# Altium PCB SmartGarden_PCB.PcbDoc (part 2 of 2)
Units mm, origin at the board's own origin, x right, y up, seen from the top; angles counter-clockwise.
Board outline 100 x 70 mm, 4 copper layers (Top Layer, GND, PWR, Bottom Layer), stack 1.446 mm thick; 123 components, 85 nets, 388 pads, 282 vias.
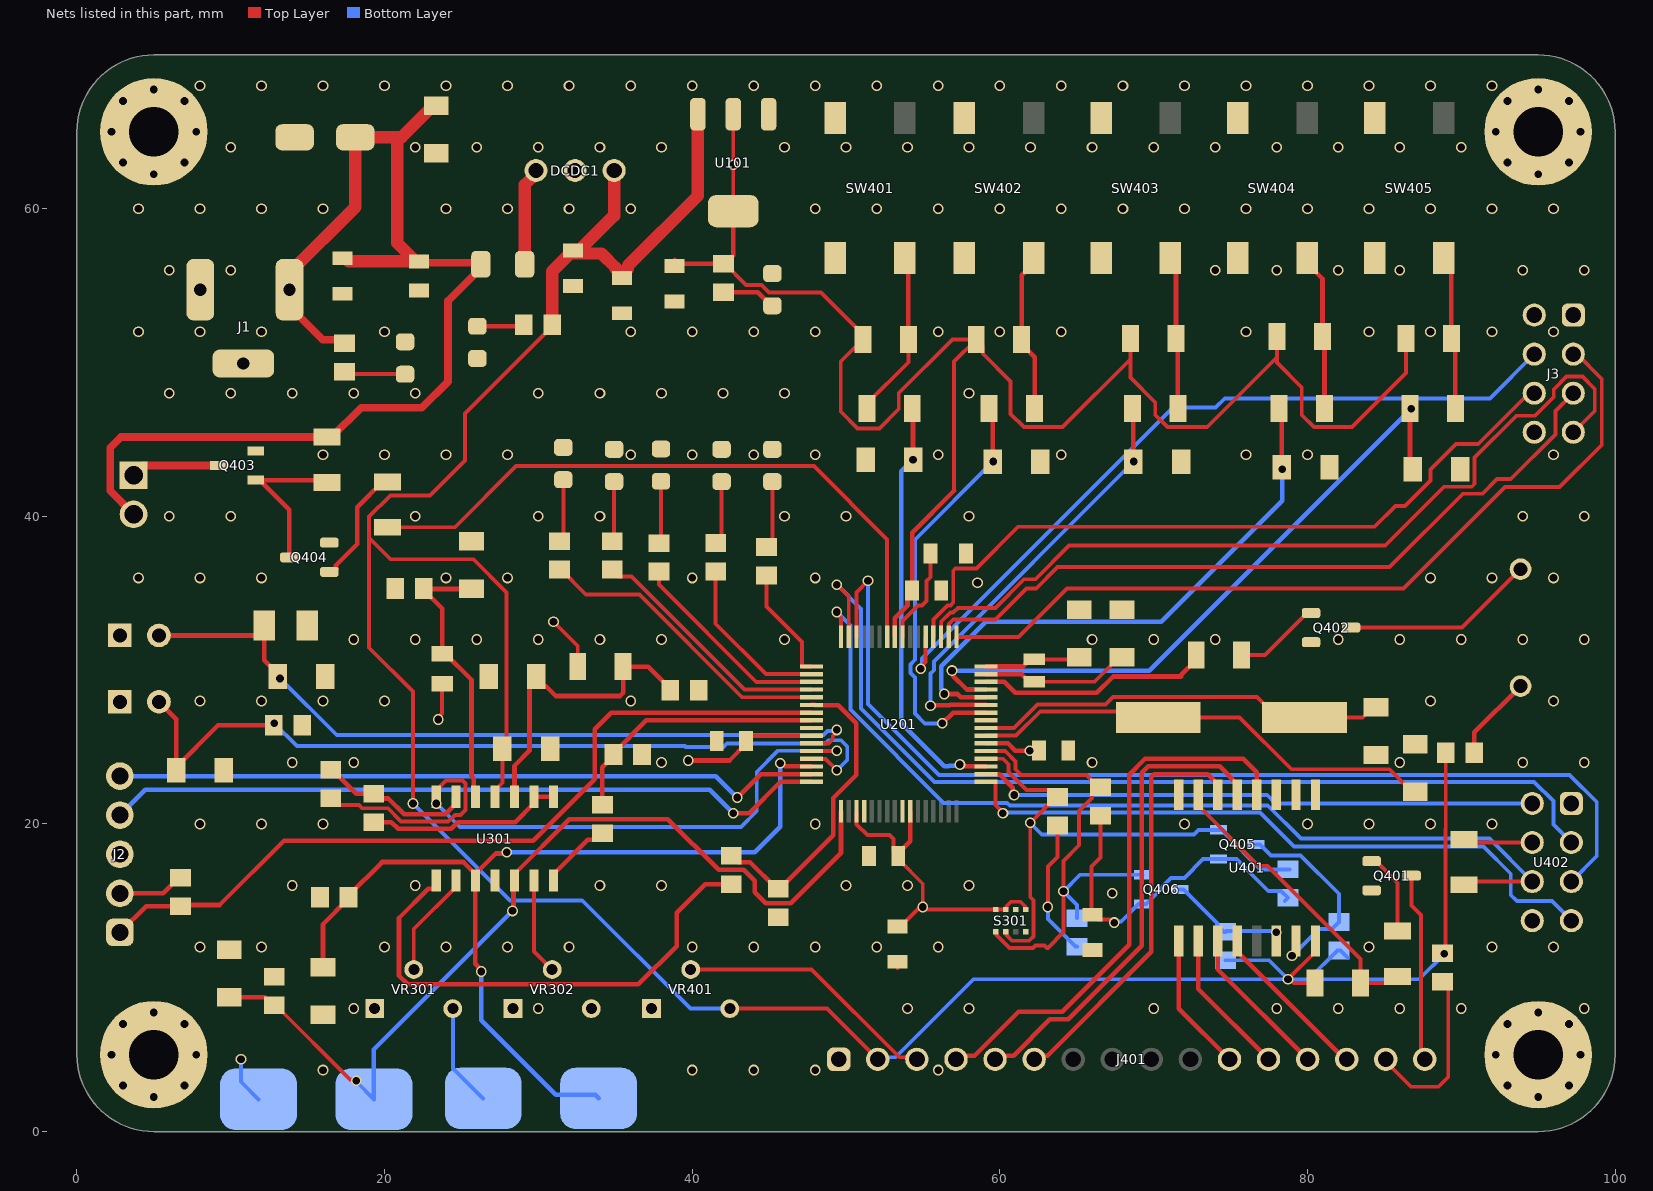
[diagram p4: the nets of this part, all layers, seen from the top]

## Via types
v1: diameter 0.7, hole 0.5, Top Layer to Bottom Layer, 282 vias

## Nets (pads, with @x,y where several pads share a name; then routed paths per layer and width w, separated by ;. In a path a pad name is that pad's centre, name@x,y a point inside that pad or via, vN(x,y) a via of type N, cw(c..) or ccw(c..) an arc to the next point about the centre after c; other vN are vias at no path point)
+3.3: C106.1 C202.1 C203.1 C204.1 C205.1 C306.1 C307.1 J2.2 J3.1 J3.2 Q405.G Q406.G R1.1 R103.2 R206.1 R207.1 R303.1 R305.1 R307.1 R309.1 R311.1 R313.1 R401.2 R403.2 R405.2 R407.2 R409.2 R418.1 R419.1 R421.1 S301.5 S301.6 S301.8 U101.2 U101.4 U201.10 U201.19 U201.26 U201.38 U201.57 U402.4 U402.8 VR301.3 VR302.3 | length 201.7
  Top Layer w0.254: v1(23.495,26.797) 23.495,26.918 23.749,27.172 R305.1@23.749,29.124 ; v1(30.988,33.147) 32.561,31.574 R313.1@32.561,30.226 ; R103.2@42.037,56.424 42.137,56.424 43.51,55.051 44.497,55.051 44.984,54.564 48.364,54.564 51.103,51.825 R401.2@51.103,51.5 49.657,50.054 49.657,46.813 50.75,45.72 52.175,45.72 53.43,46.975 53.43,48.01 56.92,51.5 R403.2@58.469,51.5 ; U101.4@42.672,59.842 v1(42.672,62.865) U101.2@42.672,66.142 ; U201.19@50.678,20.822 50.691,20.809 50.691,19.972 51.387,19.276 52.832,19.276 53.078,19.03 53.078,18.23 C204.1@53.401,17.907 53.401,17.707 54.991,16.117 v1(54.991,14.605) ; C307.1@53.34,13.342 53.54,13.342 54.718,14.52 54.906,14.52 v1(54.991,14.605) ; 57.023,41.656 57.023,50.054 R403.2@58.469,51.5 ; S301.8@61.681,14.441 61.633,14.489 61.633,14.651 61.341,14.943 60.721,14.943 60.429,14.651 60.429,14.489 S301.6@60.381,14.441 S301.5@59.731,14.441 55.276,14.441 55.112,14.605 v1(54.991,14.605) ; v1@62.992,14.605 v1(63.119,14.605) 63.119,17.229 63.754,17.864 R207.1@63.754,19.903 ; R206.1@66.548,20.538 66.548,17.832 65.951,17.235 65.951,14.193 C306.1@66.04,14.104 66.363,13.781 67.124,13.781 67.316,13.589 v1(67.437,13.589) ; R405.2@68.502,51.562 68.502,50.214 ; R407.2@78.027,51.689 78.027,50.341 ; R409.2@86.409,51.562 86.409,49.325 82.882,45.798 80.419,45.798 79.629,46.588 79.629,48.387 78.027,49.989 78.027,50.341 ; R418.1@90.17,19.001 90.375,18.796 U402.4@94.615,18.796 ; R403.2@58.469,51.5 58.892,51.077 58.892,50.582 60.706,48.768 60.706,46.666 61.574,45.798 64.086,45.798 68.502,50.214 ; 68.502,50.214 68.502,49.014 70.104,47.412 70.104,46.588 70.894,45.798 73.484,45.798 78.027,50.341
  Top Layer w0.3: J2.2@2.794,15.494 5.615,15.494 6.631,16.51 R1.1@6.731,16.51 ; C106.1@38.862,56.668 39.106,56.424 R103.2@42.037,56.424 ; v1(39.751,24.13) 42.425,24.13 43.495,25.2 C203.1@43.495,25.4 43.495,25.442 43.795,25.742 U201.10@47.758,25.742 ; R103.2@42.137,56.424 42.672,56.959 U101.4@42.672,59.842 ; U201.57@53.178,32.162 53.178,33.375 53.995,34.191 53.995,34.879 C202.1@54.295,35.179 54.295,38.928 57.023,41.656 ; C204.1@53.401,17.907 53.401,18.107 54.178,18.884 U201.26@54.178,20.822 ; U201.38@59.098,25.242 60.53,25.242 61.007,24.765 v1(61.95,24.765)
  Bottom Layer w0.254: v1(10.668,4.699) 10.668,3.245 R311.1@11.811,2.102 ; VR301.3@24.44,8 24.44,4.107 26.388,2.159 R309.1@26.416,2.159 ; v1(63.119,14.605) 63.119,13.834 64.924,12.029 R421.1@65.024,12.029 ; v1(67.437,13.589) 67.522,13.674 67.896,13.674 69.02,14.798 Q406.G@69.27,14.798 69.52,14.798 70.415,15.693 70.415,15.776 71.138,16.498 71.998,16.498 73.219,17.719 Q405.G@74.223,17.719 75.386,17.719 77.453,15.652 78.292,15.652 R419.1@78.74,15.204 R419.1@78.522,14.986
+5: C104.1 C105.1 C308.1 DCDC1.3 J401.2 R102.1 R411.1 R413.1 R415.1 R420.2 R422.2 U101.3 U301.4 U401.16 VR401.3 | length 194.1
  Top Layer w0.254: v1(21.849,21.336) 21.849,28.603 18.991,31.46 18.991,38.607 ; U301.4@27.178,21.775 27.178,22.2 27.66,22.682 C308.1@27.66,24.892 27.94,25.172 27.94,35.052 25.781,37.211 20.387,37.211 18.991,38.607 ; R102.1@30.897,52.451 30.897,52.351 25.228,46.682 25.228,43.643 22.95,41.365 20.379,41.365 18.991,39.977 18.991,38.607 ; VR401.3@42.445,8 48.769,8 J401.2@52.07,4.699 ; R411.1@80.518,9.681 R411.1@80.489,9.652 79.115,9.652 78.861,9.906 v1(78.74,9.906) 78.74,9.917 80.518,11.695 U401.16@80.518,12.395 U401.16@80.518,13.095 ; R413.1@88.968,11.788 88.968,19.686 88.991,19.709 R415.1@88.991,24.638
  Top Layer w0.8: R102.1@30.897,52.451 30.897,55.923 32.058,57.084 C104.1@32.458,57.084 ; DCDC1.3@34.925,62.484 34.925,59.551 C104.1@32.458,57.084 ; U101.3@40.372,66.142 40.372,60.845 35.833,56.306 35.833,56.106 35.633,55.906 35.233,55.906 35.033,56.106 35.033,56.159 34.108,57.084 C104.1@32.458,57.084
  Bottom Layer w0.254: v1(21.849,21.336) 28.157,15.028 32.851,15.028 39.879,8 VR401.3@42.445,8 ; J401.2@52.07,4.699 52.208,4.837 53.211,4.837 58.28,9.906 v1(78.74,9.906) ; R422.2@74.676,11.14 77.506,11.14 v1(78.74,9.906) ; R420.2@82.59,11.327 82.142,11.775 R420.2@82.042,11.775 81.942,11.775 80.073,9.906 ; v1(88.9,11.557) 87.249,9.906 80.073,9.906 ; v1(78.74,9.906) 80.073,9.906
+12: C101.1 C102.1 C103.1 D101.1 F101.1 J1.1 J402.2 R101.1 R417.1 | length 78.4
  Top Layer w0.5: J402.2@3.683,40.132 2.159,41.656 2.159,44.45 2.872,45.163 R417.1@16.256,45.163 16.581,45.163 18.483,47.065 22.427,47.065 24.13,48.768 24.13,54.007 26.261,56.138 F101.1@26.261,56.388 26.167,56.482 22.319,56.482 C103.1@22.225,56.576 ; J1.1@13.825,54.737 13.825,53.637 15.974,51.488 17.164,51.488 R101.1@17.399,51.253
  Top Layer w0.8: J1.1@13.825,54.737 13.825,55.837 18.104,60.116 D101.1@18.104,64.643 21.11,64.643 23.168,66.701 C102.1@23.368,66.701 ; C101.1@17.272,56.776 17.472,56.776 17.672,56.576 C103.1@22.025,56.576 ; 20.828,64.643 20.828,57.773 C103.1@22.025,56.576 ; C103.1@22.225,56.576 C103.1@22.025,56.576
/MCLR: J2.1 R1.2 U201.7 | length 52.8
  Top Layer w0.3: J2.1@2.794,12.954 4.5,14.66 R1.2@6.731,14.66 6.803,14.732 9.271,14.732 13.462,18.923 29.656,18.923 33.655,22.922 33.655,26.162 34.735,27.242 U201.7@47.758,27.242
D4: J401.11 U401.9 | length 9.1
  Top Layer w0.3: U401.9@71.628,12.395 71.628,8.001 J401.11@74.93,4.699
D5: J401.12 U401.10 | length 9.6
  Top Layer w0.3: U401.10@72.898,12.395 72.898,9.271 J401.12@77.47,4.699
D6: J401.13 U401.11 | length 10.1
  Top Layer w0.3: U401.11@74.168,12.395 74.168,10.541 J401.13@80.01,4.699
D7: J401.14 U401.12 | length 10.7
  Top Layer w0.3: U401.12@75.438,12.395 75.438,11.695 82.434,4.699 J401.14@82.55,4.699
DPS_SCL: Q406.S R206.2 R421.2 S301.4 U201.37 | length 32.3
  Top Layer w0.254: U201.37@59.098,24.742 60.355,24.742 61.023,24.074 61.023,23.559 61.387,23.195 65.641,23.195 R206.2@66.448,22.388 ; S301.4@59.731,12.991 59.779,12.943 59.779,12.781 60.622,11.938 62.162,11.938 62.331,12.107 62.891,12.107 63.06,11.938 63.119,11.938 64.151,12.97 64.151,15.605 v1(64.135,15.621) 64.135,17.603 65.151,18.619 65.151,20.853 66,21.702 66,21.94 R206.2@66.448,22.388 ; R206.2@66.548,22.388 R206.2@66.448,22.388
  Bottom Layer w0.254: R421.2@65.024,13.879 65.024,14.732 v1(64.135,15.621) 65.212,16.698 Q406.S@69.27,16.698
DPS_SDA: Q405.S R207.2 R419.2 S301.3 U201.36 | length 36.7
  Top Layer w0.254: U201.36@59.098,24.242 60.213,24.242 60.569,23.886 60.569,23.371 61.739,22.201 63.306,22.201 R207.2@63.754,21.753 63.654,21.753 v1(61.976,20.075) 61.976,15.25 62.183,15.044 62.183,12.681 61.91,12.407 60.794,12.407 60.429,12.773 60.429,12.943 S301.3@60.381,12.991 S301.3@60.429,13.039
  Bottom Layer w0.254: v1(61.976,20.075) 62.729,19.323 72.612,19.323 72.908,19.619 Q405.S@74.223,19.619 74.473,19.619 74.646,19.446 74.646,19.364 76.956,17.054 R419.2@78.74,17.054 R419.2@78.84,17.054
E: J401.6 U401.6 | length 27.3
  Top Layer w0.3: J401.6@62.23,4.699 62.463,4.932 63.098,4.932 69.85,11.684 69.85,23.069 70.026,23.245 73.529,23.245 74.018,22.756 74.018,22.045 U401.6@74.168,21.895
GH_D: R318.2 R320.1 U201.8 | length 17.4
  Top Layer w0.3: R318.2@34.163,21.245 34.163,23.685 34.889,24.411 R320.1@34.889,24.511 34.889,24.611 37.02,26.742 U201.8@47.758,26.742
GH_Vout: C305.1 R311.2 R312.1 U201.17 U301.12 | length 60.1
  Top Layer w0.254: R312.1@12.727,8.219 R312.1@12.827,8.219 12.927,8.219 17.759,3.387 18.076,3.387 v1(18.161,3.302)
  Top Layer w0.3: C305.1@9.906,8.737 12.209,8.737 R312.1@12.727,8.219 ; v1(28.321,14.351) 28.384,14.414 28.384,16.262 U301.12@28.448,16.325 28.448,16.75 32.018,20.32 38.423,20.32 41.725,17.018 43.365,17.018 44.069,16.314 44.069,15.563 44.773,14.859 46.413,14.859 49.678,18.124 U201.17@49.678,20.822
  Bottom Layer w0.254: v1(18.161,3.302) 18.161,3.252 R311.2@19.311,2.102
  Bottom Layer w0.3: R311.2@19.311,2.102 19.311,5.341 v1(28.321,14.351)
GND: C101.2 C102.2 C103.2 C104.2 C105.2 C106.2 C201.2 C202.2 C203.2 C204.2 C205.2 C206.2 C207.2 C208.1 C209.1 C301.2 C302.2 C303.2 C304.2 C305.2 C306.2 C307.2 C308.2 C309.2 C401.2 C402.2 C403.2 C404.2 C405.2 D101.2 D102.K D103.K D104.K D201.K D202.K D203.K D204.K D205.K DCDC1.2 J1.2 J1.3 J2.3 J3.8 J401.1 MH1.1 MH2.1 MH3.1 MH4.1 Q401.E Q402.E Q403.S Q404.E R304.2 R306.2 R308.2 R310.2 R312.2 R314.2 R319.2 R320.2 S301.1 S301.7 SW401.1 SW401.2 SW402.1 SW402.2 SW403.1 SW403.2 SW404.1 SW404.2 SW405.1 SW405.2 U101.1 U201.9 U201.20 U201.25 U201.41 U301.11 U401.1 U401.2 U401.3 U401.8 U402.1 VR301.1 VR302.1 VR401.1 | length 0.7
  Top Layer w0.254: R319.2@45.593,13.934 R319.2@45.629,13.97 ; C307.2@52.867,11.115 C307.2@53.34,10.642
  other v1: 5,2.25 95,2.25 3,3 7,3 93,3 97,3 16,4 40,4 44,4 48,4 56,4 2.25,5 7.75,5 92.25,5 97.75,5 3,7 7,7 93,7 97,7 5,7.75 95,7.75 18,8 30,8 54,8 58,8 70,8 78,8 82,8 86,8 90,8 98,8 8,12 12,12 20,12 24,12 28,12 32,12 40,12 44,12 48,12 52,12 56,12 84,12 92,12 96,12 67.31,15.494 14,16 22,16 34,16 38,16 50,16 54,16 58,16 8,20 12,20 16,20 48,20 72,20 80,20 84,20 88,20 92,20 14,24 18,24 38,24 66,24 86,24 94,24 98,24 8,28 12,28 16,28 20,28 36,28 88,28 96,28 18,32 22,32 26,32 30,32 34,32 38,32 46,32 66,32 70,32 74,32 82,32 86,32 90,32 94,32 98,32 58.547,35.687 4,36 8,36 12,36 24,36 28,36 40,36 48,36 88,36 92,36 96,36 6,40 10,40 22,40 30,40 34,40 46,40 50,40 58,40 94,40 98,40 16,44 20,44 24,44 28,44 36,44 40,44 44,44 48,44 56,44 64,44 76,44 80,44 96,44 6,48 10,48 14,48 18,48 22,48 30,48 34,48 38,48 42,48 46,48 58,48 4,52 8,52 12,52 20,52 36,52 40,52 44,52 48,52 56,52 60,52 64,52 76,52 84,52 88,52 92,52 96,52 6,56 10,56 74,56 78,56 82,56 86,56 94,56 98,56 4,60 8,60 12,60 16,60 24,60 28,60 32,60 36,60 48,60 52,60 56,60 60,60 64,60 68,60 72,60 76,60 80,60 84,60 88,60 92,60 96,60 5,62.25 95,62.25 3,63 7,63 93,63 97,63 10,64 22,64 26,64 30,64 34,64 38,64 46,64 50,64 54,64 58,64 62,64 66,64 70,64 74,64 78,64 82,64 86,64 90,64 2.25,65 7.75,65 92.25,65 97.75,65 3,67 7,67 93,67 97,67 5,67.75 95,67.75 8,68 12,68 16,68 20,68 24,68 28,68 32,68 36,68 40,68 44,68 48,68 52,68 56,68 60,68 64,68 68,68 72,68 76,68 80,68 84,68 88,68 92,68
HR_Vout: C301.1 R303.2 R304.1 U201.11 | length 50.6
  Top Layer w0.254: U201.11@47.758,25.242 48.864,25.242 49.138,25.516 49.138,25.733 49.403,25.998 v1(49.403,26.119)
  Top Layer w0.3: R303.2@5.334,32.258 11.639,32.258 R304.1@12.189,32.808 ; R304.1@12.189,32.893 R304.1@12.189,32.808 ; C301.1@13.055,29.791 12.189,30.657 R304.1@12.189,32.808
  Bottom Layer w0.254: v1(13.208,29.464) 16.891,25.781 48.545,25.781 48.798,26.034 49.318,26.034 v1(49.403,26.119)
LCD_LED: R411.2 R412.1 U401.7 | length 19.5
  Top Layer w0.254: U401.7@72.898,21.895 72.898,21.195 76.817,17.276 77.399,17.276 83.439,11.236 R411.2@83.439,9.652 85.097,9.652 85.527,10.082 R412.1@85.852,10.082
LDR_Vout: C303.1 R307.2 R308.1 U201.13 | length 54.4
  Top Layer w0.254: U201.13@47.758,24.242 47.771,24.229 48.669,24.229 v1(49.403,23.495)
  Top Layer w0.3: R307.2@5.334,27.94 6.451,26.823 C303.1@6.451,23.695 ; C303.1@6.451,23.495 C303.1@6.451,23.695 ; R308.1@12.791,26.416 9.172,26.416 C303.1@6.451,23.695
  Bottom Layer w0.254: v1(12.827,26.543) 14.309,25.061 39.523,25.061 39.565,25.019 42.037,25.019 42.249,25.231 48.637,25.231 48.848,25.442 49.683,25.442 50.08,25.045 50.08,24.172 v1(49.403,23.495)
NetC201_1: C201.1 U201.56 | length 6.3
  Top Layer w0.254: U201.56@53.678,32.162 53.678,33.2 54.68,34.202 54.948,34.202 55.245,34.499 55.245,35.791 55.492,36.038 C201.1@55.492,37.592
NetC206_1: C206.1 U201.48 XTAL201.1 | length 6
  Top Layer w0.254: XTAL201.1@62.23,30.697 65.013,30.697 C206.1@65.151,30.835
  Top Layer w0.3: U201.48@59.098,30.242 61.504,30.242 61.68,30.418 61.68,30.472 XTAL201.1@61.905,30.697
NetC207_1: C207.1 U201.47 XTAL201.2 | length 9.7
  Top Layer w0.254: XTAL201.2@62.23,29.247 66.157,29.247 67.745,30.835 C207.1@67.945,30.835
  Top Layer w0.3: U201.47@59.098,29.742 61.41,29.742 61.905,29.247 XTAL201.2@62.23,29.247
NetC401_1: C401.1 R402.2 U201.35 | length 27.6
  Top Layer w0.3: R402.2@54.307,47 54.356,46.951 v1(54.356,43.688) ; v1(57.404,23.868) 57.512,23.868 57.638,23.742 U201.35@59.098,23.742
  Bottom Layer w0.3: v1(54.356,43.688) 53.594,42.926 53.594,26.543 56.388,23.749 56.688,23.749 56.73,23.791 57.327,23.791 v1(57.404,23.868)
NetC402_1: C402.1 R404.2 U201.42 | length 27.4
  Top Layer w0.3: v1(56.261,26.543) 56.96,27.242 U201.42@59.098,27.242 ; R404.2@59.309,47 59.537,46.772 C402.1@59.537,43.561
  Bottom Layer w0.254: v1(56.261,26.543) 55.118,26.543 54.483,27.178 54.483,29.523 54.187,29.819 54.187,30.379 54.483,30.675 54.483,38.481 v1(59.563,43.561)
NetC403_1: C403.1 R406.2 U201.43 | length 28.4
  Top Layer w0.3: v1(55.499,27.686) 55.545,27.732 56.743,27.732 56.753,27.742 U201.43@59.098,27.742 ; R406.2@68.629,47 68.681,46.948 C403.1@68.681,43.561
  Bottom Layer w0.254: v1(55.499,27.686) 55.499,29.777 55.719,29.997 55.719,30.573 v1(68.707,43.561)
NetC404_1: C404.1 R408.2 U201.44 | length 37.2
  Top Layer w0.3: v1(56.388,28.448) 57.252,28.448 57.458,28.242 U201.44@59.098,28.242 ; R408.2@78.154,47 78.333,46.821 C404.1@78.333,43.18
  Bottom Layer w0.3: v1(56.388,28.448) 56.388,28.556 56.196,28.748 56.196,30.262 59.081,33.147 70.485,33.147 78.359,41.021 v1(78.359,43.053)
NetC405_1: C405.1 R410.2 U201.45 | length 43.8
  Top Layer w0.3: v1(56.896,29.972) 56.973,29.895 56.973,29.609 57.84,28.742 U201.45@59.098,28.742 ; R410.2@86.663,46.99 86.663,43.232 C405.1@86.842,43.053
  Bottom Layer w0.3: v1(56.896,29.972) 69.723,29.972 v1(86.741,46.99)
NetD102_A: D102.A R101.2 | length 4
  Top Layer w0.254: R101.2@17.399,49.403 17.56,49.242 D102.A@21.336,49.242
NetD103_A: D103.A R102.2 | length 3.1
  Top Layer w0.3: D103.A@26.035,52.358 28.954,52.358 R102.2@29.047,52.451
NetD104_A: D104.A R103.1 | length 3.5
  Top Layer w0.3: R103.1@42.037,54.574 44.275,54.574 45.162,53.687 D104.A@45.212,53.687
NetD201_A: D201.A R201.2 | length 4.4
  Top Layer w0.254: R201.2@44.831,38.009 45.212,38.39 D201.A@45.212,42.257
NetD202_A: D202.A R202.2 | length 4.2
  Top Layer w0.254: R202.2@41.529,38.263 41.91,38.644 D202.A@41.91,42.257
NetD203_A: D203.A R203.2 | length 4.1
  Top Layer w0.254: R203.2@37.846,38.259 37.973,38.386 D203.A@37.973,42.284
NetD204_A: D204.A R204.2 | length 3.9
  Top Layer w0.254: R204.2@34.798,38.39 34.925,38.517 D204.A@34.925,42.257
NetD205_A: D205.A R205.2 | length 4.1
  Top Layer w0.254: R205.2@31.369,38.39 31.623,38.644 D205.A@31.623,42.384
NetDCDC1_1: DCDC1.1 F101.2 | length 6.4
  Top Layer w0.8: F101.2@29.111,56.388 29.111,61.561 29.845,62.295 DCDC1.1@29.845,62.484
NetJ401_3: J401.3 VR401.2 | length 17.1
  Top Layer w0.254: VR401.2@39.905,10.54 47.766,10.54 53.469,4.837 54.472,4.837 J401.3@54.61,4.699
NetJ401_15: J401.15 R413.2 | length 11.5
  Top Layer w0.254: J401.15@85.09,4.699 85.09,4.572 86.741,2.921 88.519,2.921 89.154,3.556 89.154,9.362 R413.2@88.773,9.743
NetJ401_16: J401.16 Q401.C | length 12.3
  Top Layer w0.254: Q401.C@86.771,16.637 86.771,14.702 87.376,14.097 87.376,5.481 87.388,5.469 87.388,4.941 J401.16@87.63,4.699
NetJ402_1: J402.1 Q403.D | length 5.8
  Top Layer w0.5: J402.1@3.683,42.672 4.318,43.307 Q403.D@9.199,43.307
NetLS401_N: LS401.N Q402.C | length 12.9
  Top Layer w0.254: Q402.C@82.834,32.766 90.053,32.766 LS401.N@93.853,36.566
  Top Layer w0.3: LS401.N@93.553,36.566 LS401.N@93.853,36.566
NetLS401_P: LS401.P R415.2 | length 5.6
  Top Layer w0.3: R415.2@90.841,24.638 90.841,25.954 LS401.P@93.853,28.966
NetQ401_B: Q401.B R412.2 | length 5.4
  Top Layer w0.254: Q401.B@84.171,17.587 84.446,17.587 85.852,16.181 R412.2@85.852,13.032
NetQ402_B: Q402.B R414.2 | length 5.6
  Top Layer w0.254: R414.2@75.721,30.988 77.231,30.988 79.959,33.716 Q402.B@80.234,33.716
NetQ403_G: Q403.G Q404.C R417.2 | length 10.5
  Top Layer w0.3: Q403.G@11.629,42.357 Q403.G@11.879,42.357 ; Q404.C@13.813,37.338 13.813,40.423 Q403.G@11.879,42.357 ; R417.2@16.256,42.213 16.112,42.357 Q403.G@11.879,42.357
NetQ404_B: Q404.B R416.2 | length 7.8
  Top Layer w0.3: Q404.B@16.413,36.388 16.672,36.388 16.846,36.562 16.846,36.821 18.228,38.203 18.228,40.602 19.868,42.242 R416.2@20.193,42.242
NetR315_2: R315.2 R316.1 U301.6 | length 10.1
  Top Layer w0.3: R316.1@16.51,23.531 16.61,23.531 18.17,21.971 R315.2@19.304,21.971 19.618,21.657 20.253,21.657 21.274,20.636 23.938,20.636 24.488,21.186 24.488,21.625 U301.6@24.638,21.775
NetR317_1: R317.1 U301.8 | length 33.2
  Top Layer w0.3: U301.8@23.368,16.316 23.368,15.94 23.218,15.79 22.842,15.79 20.939,13.887 20.939,10.142 21.502,9.579 36.503,9.579 38.989,12.065 38.989,14.224 40.858,16.093 R317.1@42.545,16.093
NetR318_1: R318.1 U301.14 | length 4.7
  Top Layer w0.3: U301.14@30.988,16.325 30.988,16.75 33.208,18.97 33.738,18.97 R318.1@34.163,19.395
NetR401_1: R401.1 R402.1 SW401.3 | length 11
  Top Layer w0.254: R402.1@51.357,47 51.357,47.325 54.053,50.021 R401.1@54.053,51.5
  Top Layer w0.3: SW401.3@53.812,56.791 54.053,56.55 R401.1@54.053,51.5
NetR403_1: R403.1 R404.1 SW402.3 | length 10.5
  Top Layer w0.3: SW402.3@62.194,56.791 62.194,56.441 61.419,55.666 R403.1@61.419,51.5 61.419,51.175 62.259,50.335 R404.1@62.259,47
NetR405_1: R405.1 R406.1 SW403.3 | length 10
  Top Layer w0.3: SW403.3@71.084,56.791 71.452,56.423 R405.1@71.452,51.562 71.579,51.435 R406.1@71.579,47
NetR407_1: R407.1 R408.1 SW404.3 | length 10.3
  Top Layer w0.3: SW404.3@79.974,56.791 79.974,56.441 80.977,55.438 R407.1@80.977,51.689 81.104,51.562 R408.1@81.104,47
NetR409_1: R409.1 R410.1 SW405.3 | length 10.1
  Top Layer w0.3: SW405.3@88.864,56.791 89.359,56.296 R409.1@89.359,51.562 89.613,51.308 R410.1@89.613,47
NetR414_1: R414.1 U201.46 | length 15.2
  Top Layer w0.3: U201.46@59.098,29.242 60.293,29.242 61.013,28.522 66.307,28.522 67.376,29.591 71.804,29.591 71.804,29.696 72.771,30.663 R414.1@72.771,30.988
NetR416_1: R416.1 U201.58 | length 42.4
  Top Layer w0.254: R416.1@20.193,39.292 24.585,39.292 28.554,43.261 47.925,43.261 52.678,38.508 U201.58@52.678,32.162
NetR418_2: R418.2 U201.64 U402.6 | length 61.9
  Top Layer w0.254: v1(49.403,33.782) 49.403,33.661 49.678,33.386 U201.64@49.678,32.162 ; R418.2@90.17,16.051 90.375,16.256 U402.6@94.615,16.256
  Bottom Layer w0.254: v1(49.403,33.782) 50.292,32.893 50.292,27.432 56.346,21.378 60.478,21.378 60.65,21.206 77.421,21.206 79.577,19.05 91.821,19.05 U402.6@94.615,16.256
NetU201_33: U201.33 U402.7 | length 43.5
  Top Layer w0.254: U201.33@59.098,22.742 59.693,22.742 59.706,22.729 59.706,21.243 60.198,20.751 v1(60.198,20.701)
  Bottom Layer w0.254: v1(60.198,20.701) 60.249,20.752 76.911,20.752 79.121,18.542 91.44,18.542 93.218,16.764 93.218,15.389 93.621,14.986 95.885,14.986 U402.7@97.155,13.716
NetU201_34: U201.34 U402.2 | length 36.5
  Top Layer w0.3: U201.34@59.098,23.242 59.108,23.232 59.978,23.232 60.852,22.358 60.852,21.96 v1(60.929,21.883)
  Bottom Layer w0.254: v1(60.929,21.883) 77.386,21.883 77.933,21.336 U402.2@94.615,21.336
NetU201_62: U201.62 U402.5 | length 67.8
  Top Layer w0.254: U201.62@50.678,32.162 50.675,32.165 50.675,35.054 v1(51.435,35.814)
  Bottom Layer w0.254: v1(51.435,35.814) 51.435,27.813 56.057,23.191 97.043,23.191 98.806,21.428 98.806,17.907 U402.5@97.155,16.256
NetU201_63: U201.63 U402.3 | length 63.1
  Top Layer w0.254: v1(49.403,35.56) 50.178,34.785 U201.63@50.178,32.162
  Bottom Layer w0.254: v1(49.403,35.56) 50.981,33.982 50.981,27.505 55.749,22.737 94.738,22.737 95.989,21.485 95.989,19.962 U402.3@97.155,18.796
NTC_Vadc: R316.2 U201.12 U301.7 | length 45.9
  Top Layer w0.254: R316.2@16.51,21.681 16.958,21.233 18.33,21.233 18.54,21.023 20.212,21.023 21.076,20.159 24.136,20.159 24.575,20.598 24.948,20.598 25.265,20.915 25.265,22.635 25.073,22.827 23.995,22.827 23.368,22.2 U301.7@23.368,21.775 ; U201.12@47.758,24.742 47.77,24.754 49.392,24.754 v1(49.403,24.765)
  Bottom Layer w0.254: v1(23.368,21.336) 24.892,19.812 43.18,19.812 44.196,20.828 44.196,23.375 45.586,24.765 v1(49.403,24.765)
NTC_Vout: C302.1 R305.2 R306.1 U301.5 | length 18.2
  Top Layer w0.3: C302.1@25.654,35.28 22.577,35.28 R306.1@22.551,35.306 22.551,35.206 23.749,34.008 R305.2@23.749,31.074 23.949,31.074 25.654,29.369 25.654,23.1 25.804,22.95 25.804,21.879 U301.5@25.908,21.775
NTC_Vref: C309.1 R313.2 R314.1 U301.3 | length 20.2
  Top Layer w0.3: U301.3@28.448,21.775 28.448,23.785 29.421,24.758 29.421,29.141 C309.1@29.871,29.591 29.871,29.391 30.321,28.941 30.521,28.941 31.141,28.321 35.306,28.321 35.511,28.526 R313.2@35.511,30.226 37.148,30.226 38.572,28.802 R314.1@38.572,28.702
OSC1: C209.2 U201.39 XTAL202.2 | length 30.7
  Top Layer w0.254: U201.39@59.098,25.742 61.065,25.742 62.628,27.305 69.926,27.305 XTAL202.2@70.307,26.924 75.595,26.924 78.961,23.558 85.335,23.558 86.795,22.098 C209.2@86.995,22.098
OSC2: C208.2 U201.40 XTAL202.1 | length 27
  Top Layer w0.254: U201.40@59.098,26.242 60.923,26.242 62.44,27.759 66.875,27.759 67.367,28.251 76.73,28.251 78.057,26.924 XTAL202.1@79.807,26.924 83.594,26.924 84.255,27.585 C208.2@84.455,27.585
PGEC1: J2.5 U201.15 | length 46.2
  Top Layer w0.3: v1(42.926,21.717) 44.451,23.242 U201.15@47.758,23.242
  Bottom Layer w0.3: J2.5@2.794,23.114 41.529,23.114 v1(42.926,21.717)
PGED1: J2.4 U201.16 | length 47.1
  Top Layer w0.3: v1(42.672,20.701) 43.704,20.701 45.745,22.742 U201.16@47.758,22.742
  Bottom Layer w0.3: J2.4@2.794,20.574 4.445,22.225 41.148,22.225 v1(42.672,20.701)
Rain_D: R317.2 R319.1 U201.6 | length 20.3
  Top Layer w0.3: R317.2@42.545,17.943 42.97,17.518 43.759,17.518 45.493,15.784 R319.1@45.593,15.784 45.693,15.784 49.178,19.269 49.178,21.692 50.673,23.187 50.673,26.543 49.484,27.732 47.975,27.732 47.965,27.742 U201.6@47.758,27.742
Rain_Vout: C304.1 R309.2 R310.1 U201.14 U301.10 | length 61.2
  Top Layer w0.3: C304.1@16.002,10.694 16.002,13.489 17.653,15.14 R310.1@17.653,15.24 17.653,15.34 19.839,17.526 25.132,17.526 U301.10@25.908,16.75 ; v1(26.289,10.414) 26.289,10.522 25.908,10.903 U301.10@25.908,16.325 U301.10@25.908,16.75 ; v1(27.94,18.161) 27.863,18.084 27.242,18.084 U301.10@25.908,16.75 ; 46.028,23.742 U201.14@47.758,23.742
  Bottom Layer w0.3: v1(26.289,10.414) 26.289,7.239 31.142,2.386 33.689,2.386 R309.2@33.916,2.159 ; v1(27.94,18.161) 44.069,18.161 45.72,19.812 v1(45.72,23.942)
RD1: J3.3 U201.49 | length 53.9
  Top Layer w0.254: U201.49@57.178,32.162 61.205,32.162 64.366,35.323 86.25,35.323 92.837,41.91 96.393,41.91 99.131,44.648 99.131,48.94 97.525,50.546 J3.3@97.282,50.546
RD2: J3.5 U201.50 | length 48.5
  Top Layer w0.254: U201.50@56.678,32.162 56.691,32.175 56.691,33.012 56.973,33.294 59.71,33.294 61.739,35.323 62.366,35.323 63.742,36.699 85.34,36.699 90.113,41.472 91.383,41.472 92.329,42.418 93.217,42.418 96.116,45.317 96.116,46.84 J3.5@97.282,48.006
RD3: J3.7 U201.51 | length 55.1
  Top Layer w0.254: U201.51@56.178,32.162 56.191,32.175 56.191,33.154 56.785,33.748 56.968,33.748 57.272,34.052 59.706,34.052 61.563,35.909 62.309,35.909 64.501,38.1 85.057,38.1 88.883,41.926 90.677,41.926 90.869,42.118 90.869,43.826 93.586,46.543 94.802,46.543 96.012,47.753 96.012,48.259 96.836,49.083 97.874,49.083 98.677,48.28 98.677,46.861 J3.7@97.282,45.466
RD4: J3.6 U201.52 | length 47.9
  Top Layer w0.254: U201.52@55.678,32.162 55.678,33.284 56.596,34.202 56.78,34.202 56.972,34.394 56.972,36.466 57.121,36.615 58.486,36.615 61.194,39.323 84.366,39.323 85.72,40.677 86.328,40.677 87.995,42.344 87.995,43.037 89.662,44.704 91.105,44.704 94.407,48.006 J3.6@94.742,48.006
RD5: J3.4 U201.53 | length 50.9
  Top Layer w0.254: v1(54.864,30.099) 54.864,30.22 55.178,30.534 U201.53@55.178,32.162
  Bottom Layer w0.254: v1(54.864,30.099) 54.949,30.184 54.949,30.761 71.263,47.075 74.032,47.075 74.624,47.667 91.863,47.667 J3.4@94.742,50.546
RS: J401.4 U401.4 | length 36
  Top Layer w0.3: J401.4@57.15,4.699 57.383,4.932 58.354,4.932 61.217,7.796 64.057,7.796 68.407,12.146 68.407,23.212 69.44,24.245 75.831,24.245 76.708,23.368 U401.4@76.708,21.895
RW: J401.5 U401.5 | length 31.4
  Top Layer w0.3: J401.5@59.69,4.699 59.923,4.932 60.894,4.932 63.257,7.296 64.446,7.296 69.223,12.073 69.223,23.321 69.647,23.745 74.288,23.745 75.438,22.595 U401.5@75.438,21.895
SCL: Q406.D R422.1 U401.14 | length 8.1
  Top Layer w0.254: U401.14@77.978,12.395 v1(77.978,12.954)
  Bottom Layer w0.254: Q406.D@71.7,15.748 71.95,15.748 74.128,13.57 74.128,13.438 74.576,12.99 R422.1@74.676,12.99 74.725,13.039 77.893,13.039 v1(77.978,12.954)
SDA: Q405.D R420.1 U401.15 | length 13.6
  Top Layer w0.254: v1(78.994,11.43) 79.248,11.684 U401.15@79.248,12.395
  Bottom Layer w0.254: Q405.D@76.653,18.669 76.903,18.669 77.616,17.956 79.55,17.956 82.042,15.464 R420.1@82.042,13.625 81.594,13.177 80.741,13.177 v1(78.994,11.43)
User_LED1: R201.1 U201.1 | length 7.5
  Top Layer w0.254: R201.1@44.831,36.159 44.831,34.143 47.15,31.823 47.15,30.255 47.163,30.242 U201.1@47.758,30.242
User_LED2: R202.1 U201.2 | length 11
  Top Layer w0.254: R202.1@41.529,36.413 41.529,33.02 44.807,29.742 U201.2@47.758,29.742
User_LED3: R203.1 U201.3 | length 13.4
  Top Layer w0.254: R203.1@37.846,36.409 37.846,35.56 44.164,29.242 U201.3@47.758,29.242
User_LED4: R204.1 U201.4 | length 16.2
  Top Layer w0.254: R204.1@34.798,36.54 35.246,36.092 36.044,36.092 43.394,28.742 U201.4@47.758,28.742
User_LED5: R205.1 U201.5 | length 19.8
  Top Layer w0.254: R205.1@31.369,36.54 31.469,36.54 33.084,34.925 36.569,34.925 43.252,28.242 U201.5@47.758,28.242
Vout_VF: R315.1 U301.1 U301.2 | length 13
  Top Layer w0.3: R315.1@19.304,20.121 20.44,20.121 20.879,19.682 24.333,19.682 24.772,20.121 28.489,20.121 29.718,21.35 U301.2@29.718,21.775 U301.1@30.988,21.775
Vref_GH: U301.13 VR302.2 | length 6.3
  Top Layer w0.254: U301.13@29.718,16.325 29.718,11.722 VR302.2@30.9,10.54
Vref_Rain: U301.9 VR301.2 | length 6.9
  Top Layer w0.254: VR301.2@21.9,10.54 21.9,13.162 24.638,15.9 U301.9@24.638,16.325
pads on no net: J401.7 J401.8 J401.9 J401.10 S301.2 SW401.4 SW402.4 SW403.4 SW404.4 SW405.4 U201.18 U201.21 U201.22 U201.23 U201.24 U201.27 U201.28 U201.29 U201.30 U201.31 U201.32 U201.54 U201.55 U201.59 U201.60 U201.61 U401.13

## Polygon pours and split planes (outlines as drawn)
GND on Top Layer "GND_L01_P000" (solid, pour order 0): 0,5 0,65 cw(c5,65) 5,70 95,70 cw(c95,65) 100,65 100,5 cw(c95,5) 95,0 5,0 cw(c5,5)
GND on GND "GND_L02_P001" (solid, pour order 1): 0,5 0,65 cw(c5,65) 5,70 95,70 cw(c95,65) 100,65 100,5 cw(c95,5) 95,0 5,0 cw(c5,5)
+3.3 on PWR "+3.3_L03_P002" (solid, pour order 2): 0,5 0,65 cw(c5,65) 5,70 95,70 cw(c95,65) 100,65 100,5 cw(c95,5) 95,0 5,0 cw(c5,5)
GND on Bottom Layer "GND_L04_P004" (solid, pour order 4): 0,5 0,65 cw(c5,65) 5,70 95,70 cw(c95,65) 100,65 100,5 cw(c95,5) 95,0 5,0 cw(c5,5)

## Silkscreen, mask and mechanical layers (free items; w line width, h text height)
Top Overlay:
  drawing of 11 lines, arcs and shapes, not listed
  text "+3.3" at 89.535,53.099 h2
  text "USER LEDS" at 33.655,48.279 h3
  text "GND" at 91.567,42.05 h2
  text "SV Control" at 0.632,36.34 h2.8
  text "HR" at 7.239,31.505 h2
  text "LDR" at 7.239,27.441 h2
  text "1" at 98.552,20.574 h2
  text "RAIN" at 19.558,12.079 h3
  text "cont" at 37.595,12.084 h3
  text "GH" at 29.21,11.957 h3
  text "LCD" at 66.929,1.035 h3
  text "BERNAT COSTA CESARI 2024" at 9.017,0.912 h3.5
Bottom Overlay:
  drawing of 7 lines, arcs and shapes, not listed
  text "SMART GARDEN PCB" at 89.794,37.116 h5
  text "GH" at 16.129,6.623 h3
  text "RAIN" at 41.91,2.427 h3
  text "--" at 16.256,1.541 h3
  text "--" at 30.861,1.541 h3
Mechanical 1:
  the board outline again, w0.254

## Text inside footprints (layer, text, board x,y; h text height)
J401: Top Overlay "16" at 87,6.399 h2; Top Overlay "1" at 48.768,6.731 h3
LS401: Top Overlay "+" at 87.63,30.607 h2 r90; Top Overlay "-" at 87.503,34.544 h2 r90